# Altium PCB PCB1.PcbDoc (part 1 of 5)
Units mm, origin at the board's own origin, x right, y up, seen from the top; angles counter-clockwise.
Board outline 85 x 56 mm, 6 copper layers (Top Layer, GND, SIG_PWR, Layer 4, PWR, Bottom Layer), stack 1.549 mm thick; 170 components, 334 nets, 1426 pads, 803 vias.
Unrouted connection lines stored in the file: 7.
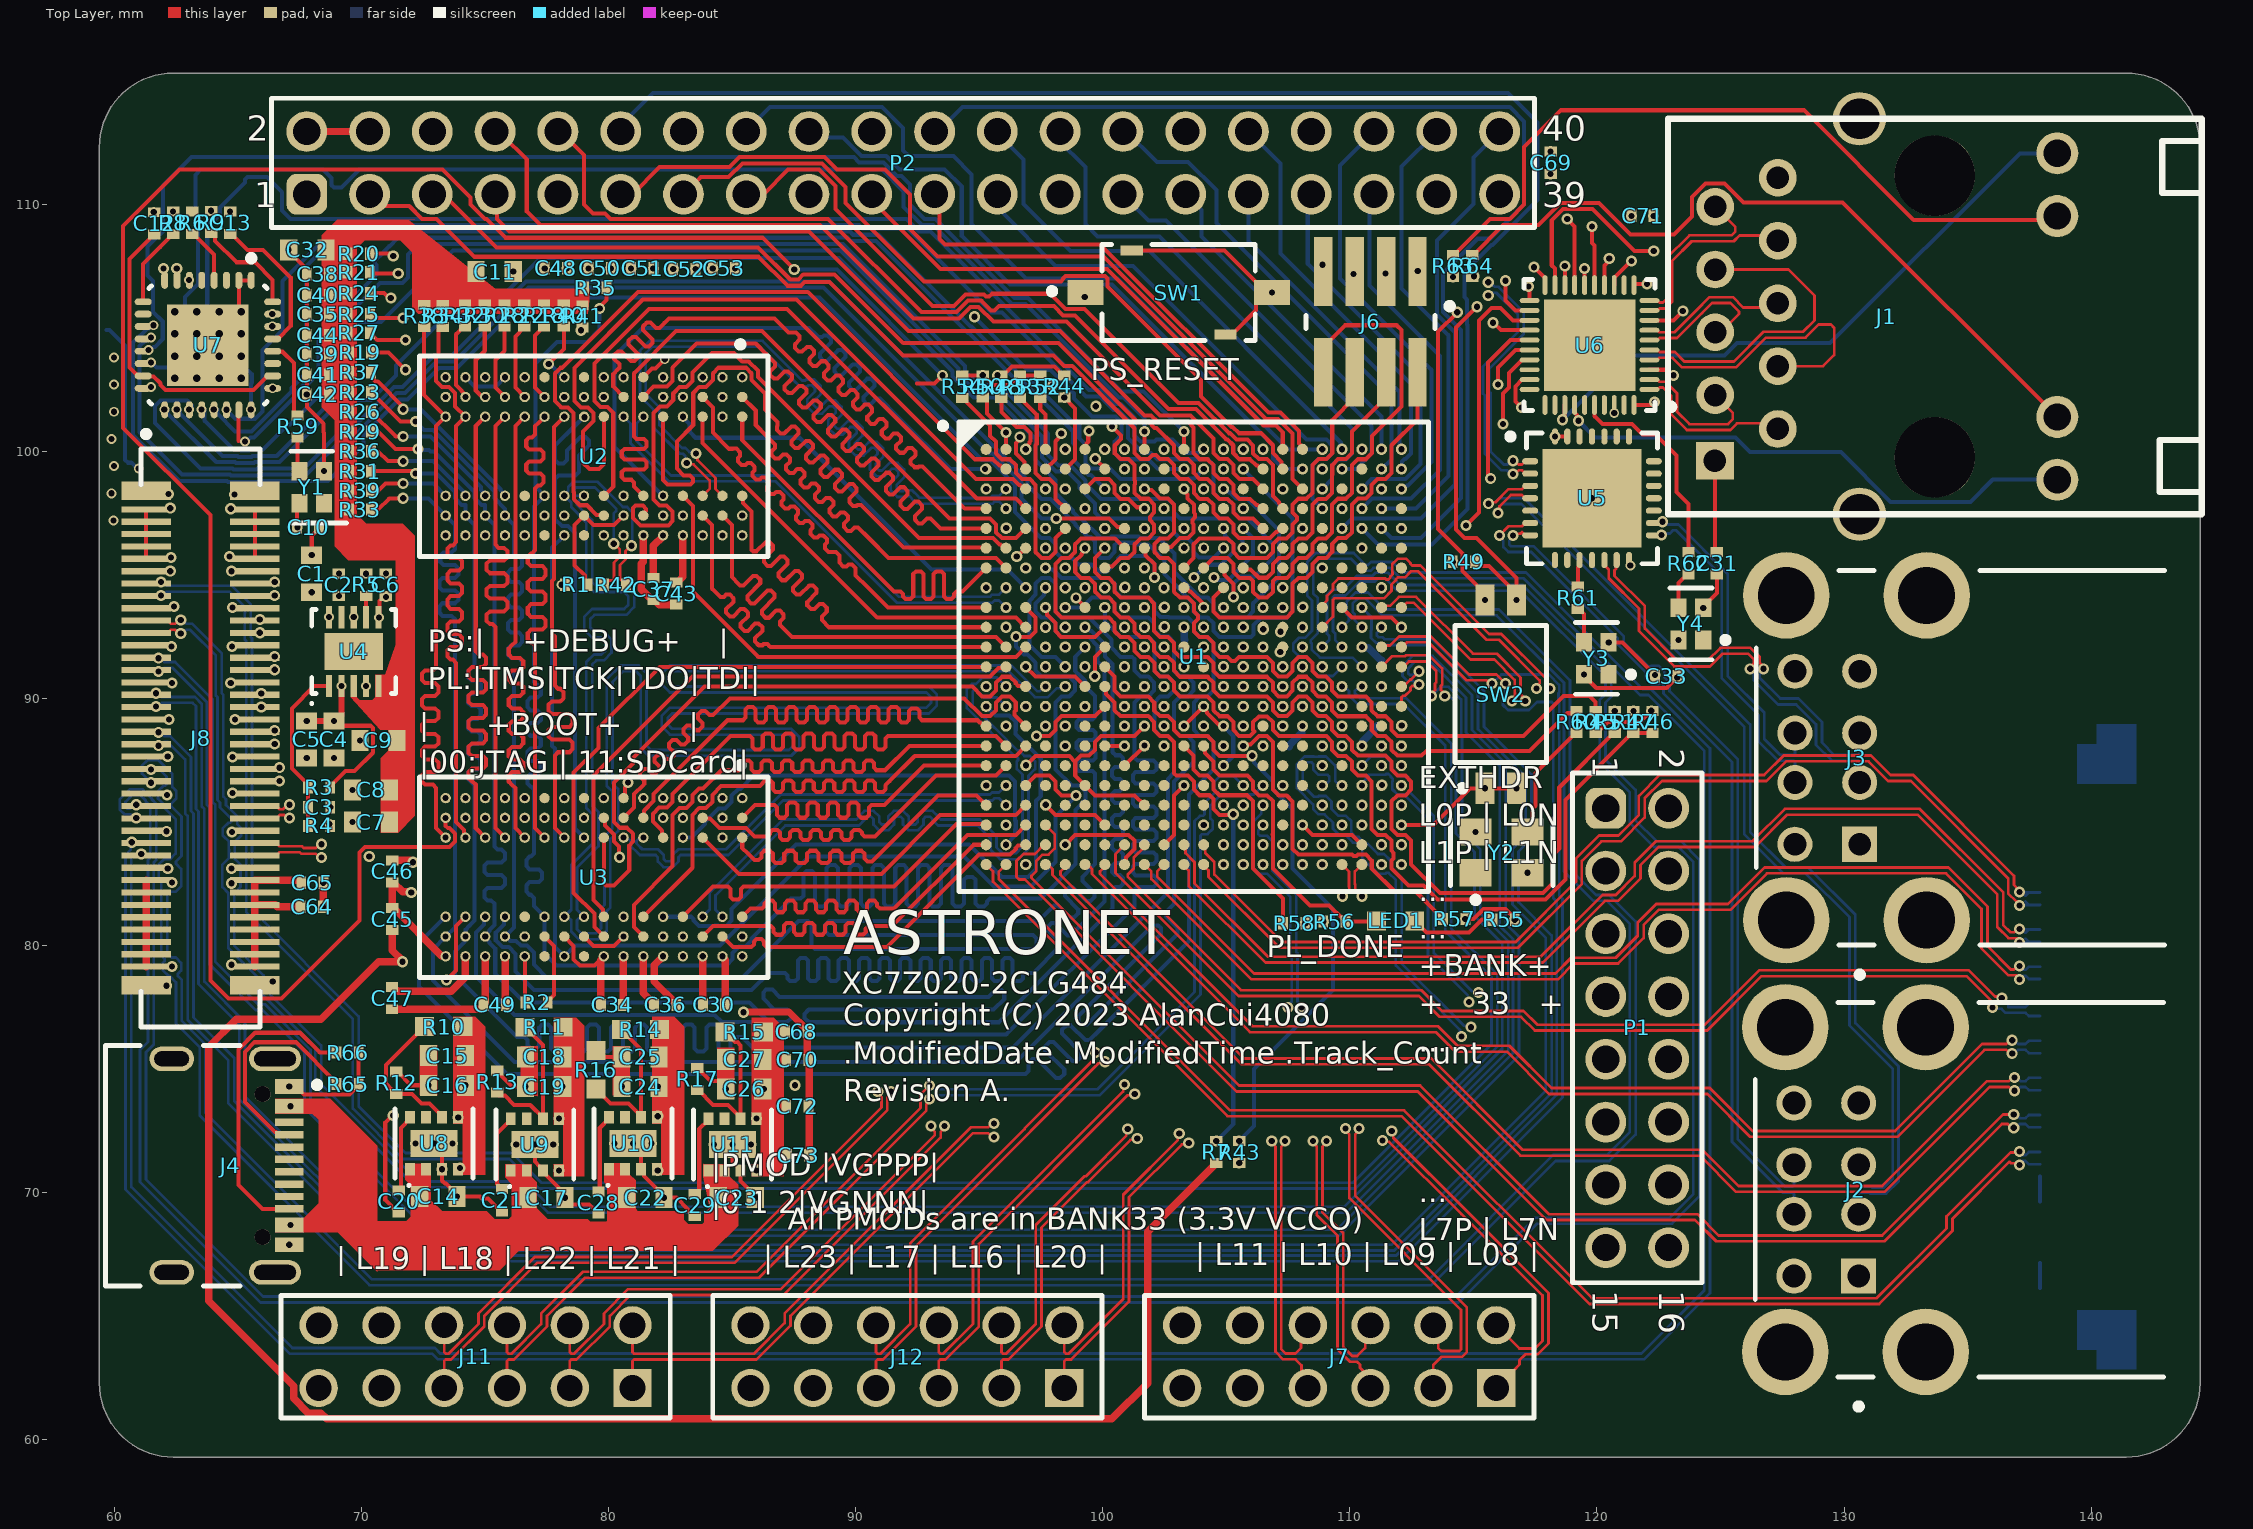
[diagram p0: Top Layer view]
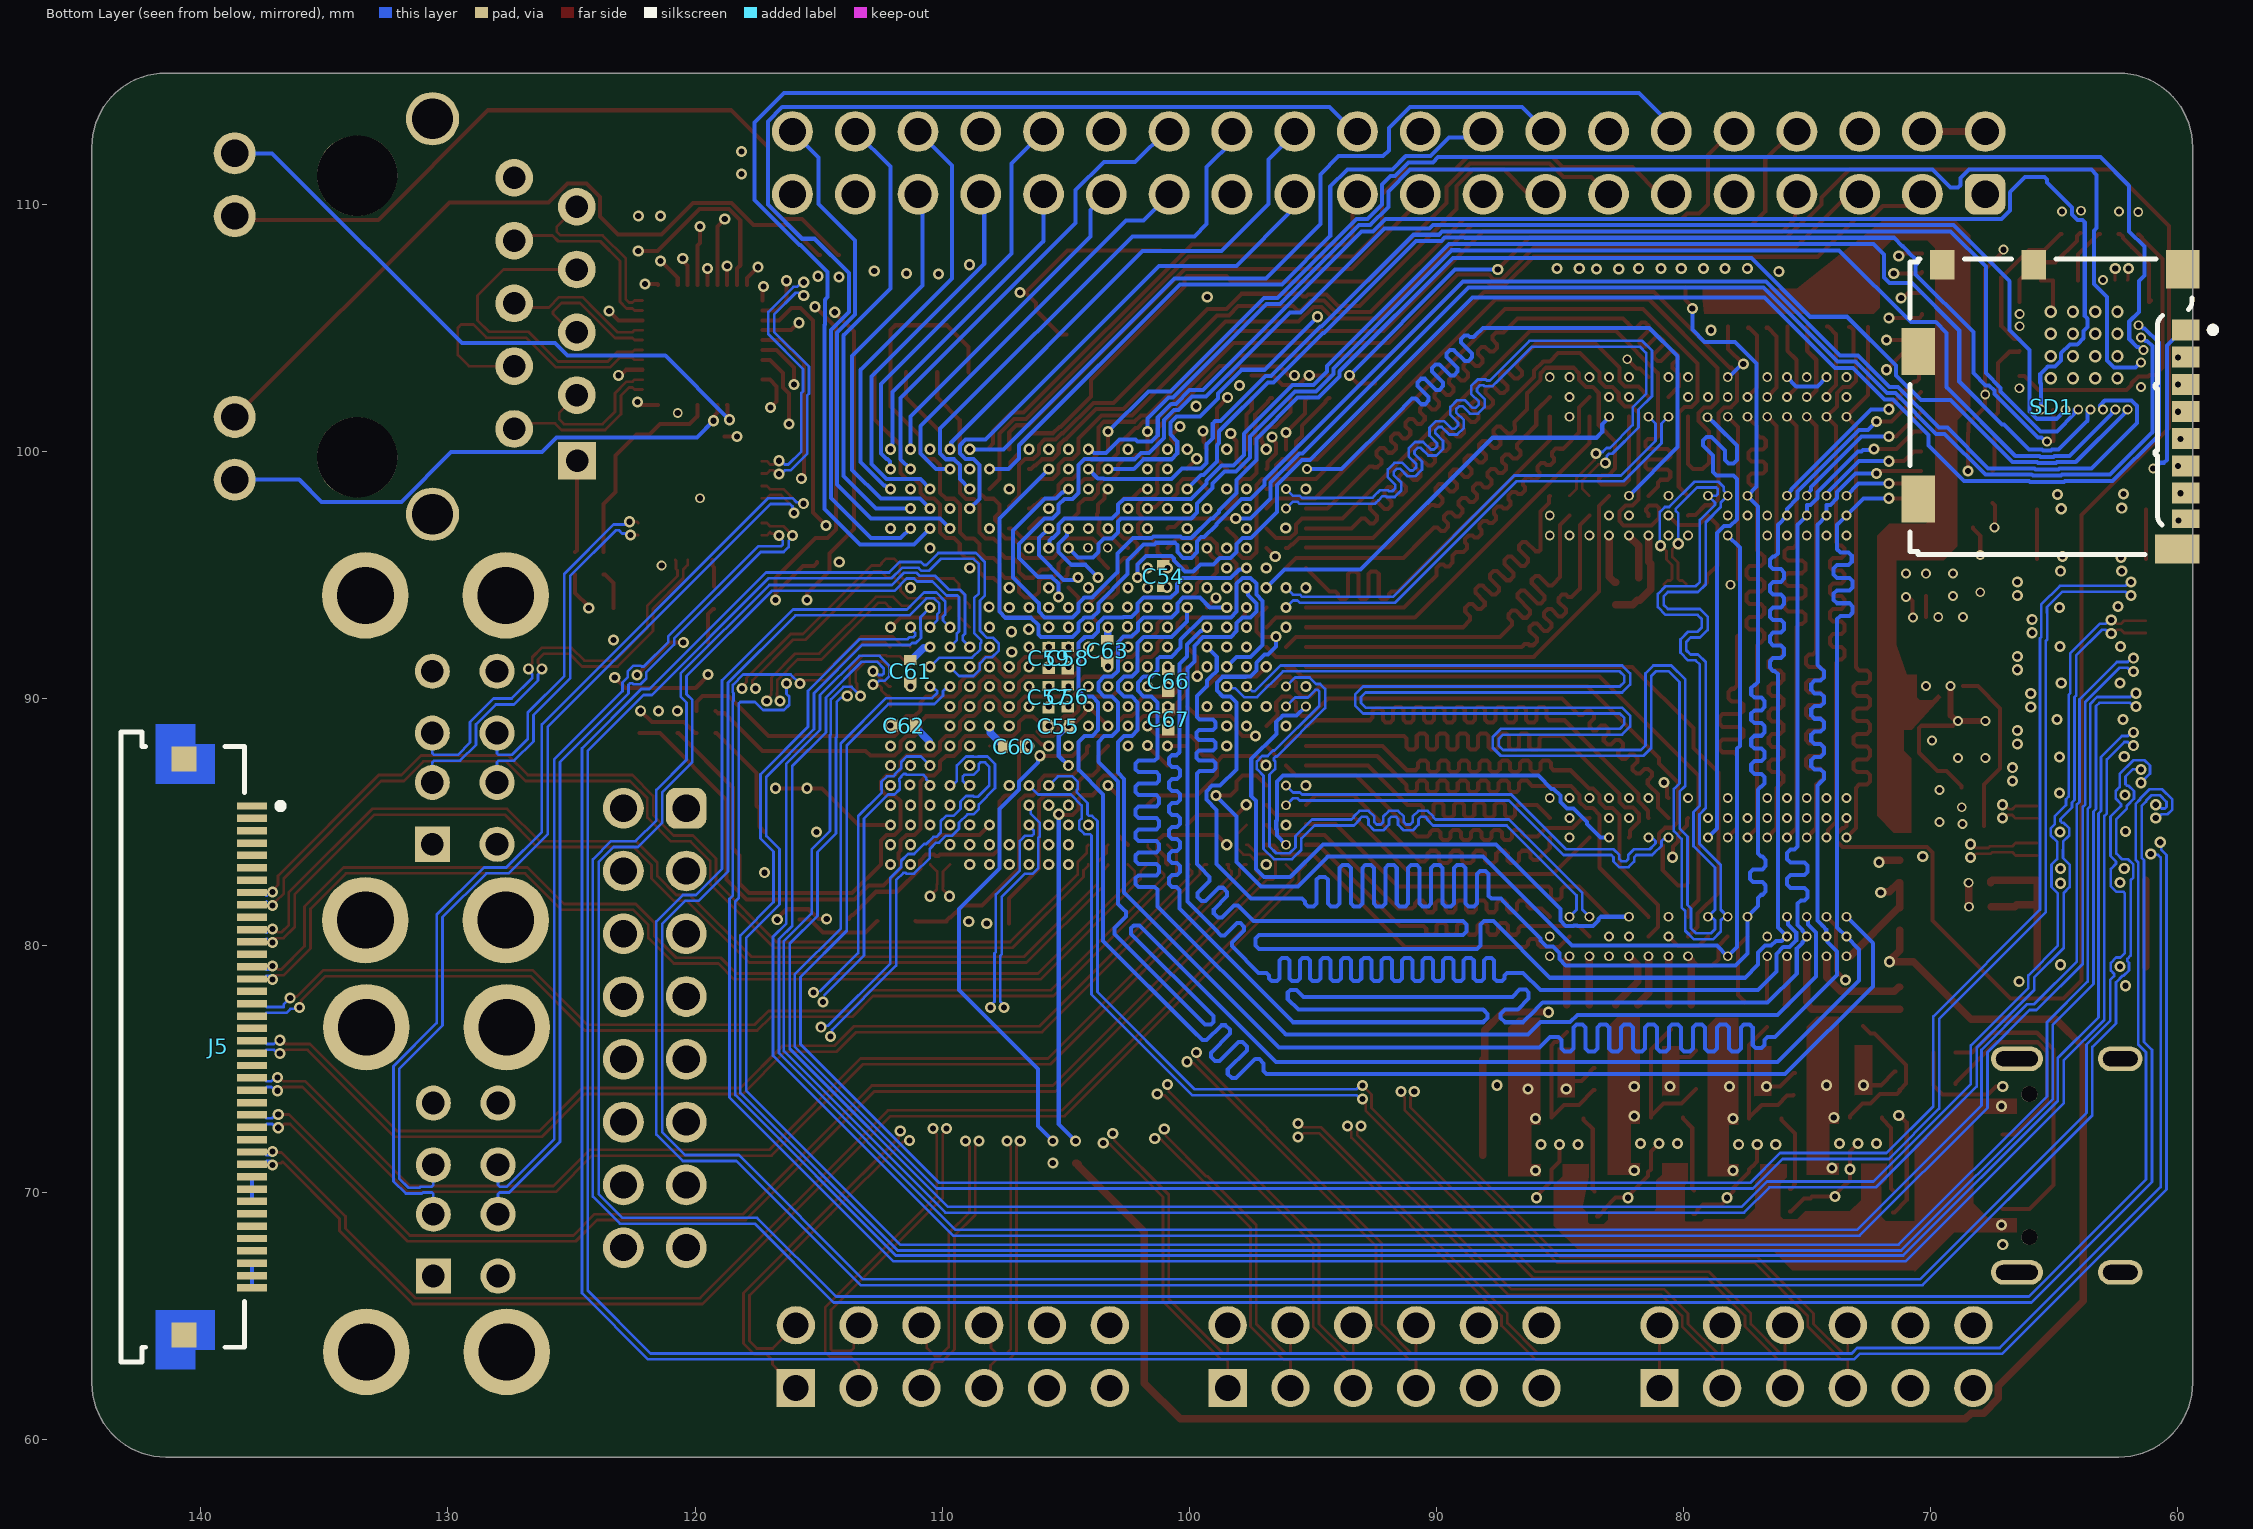
[diagram p1: Bottom Layer view, seen from below]
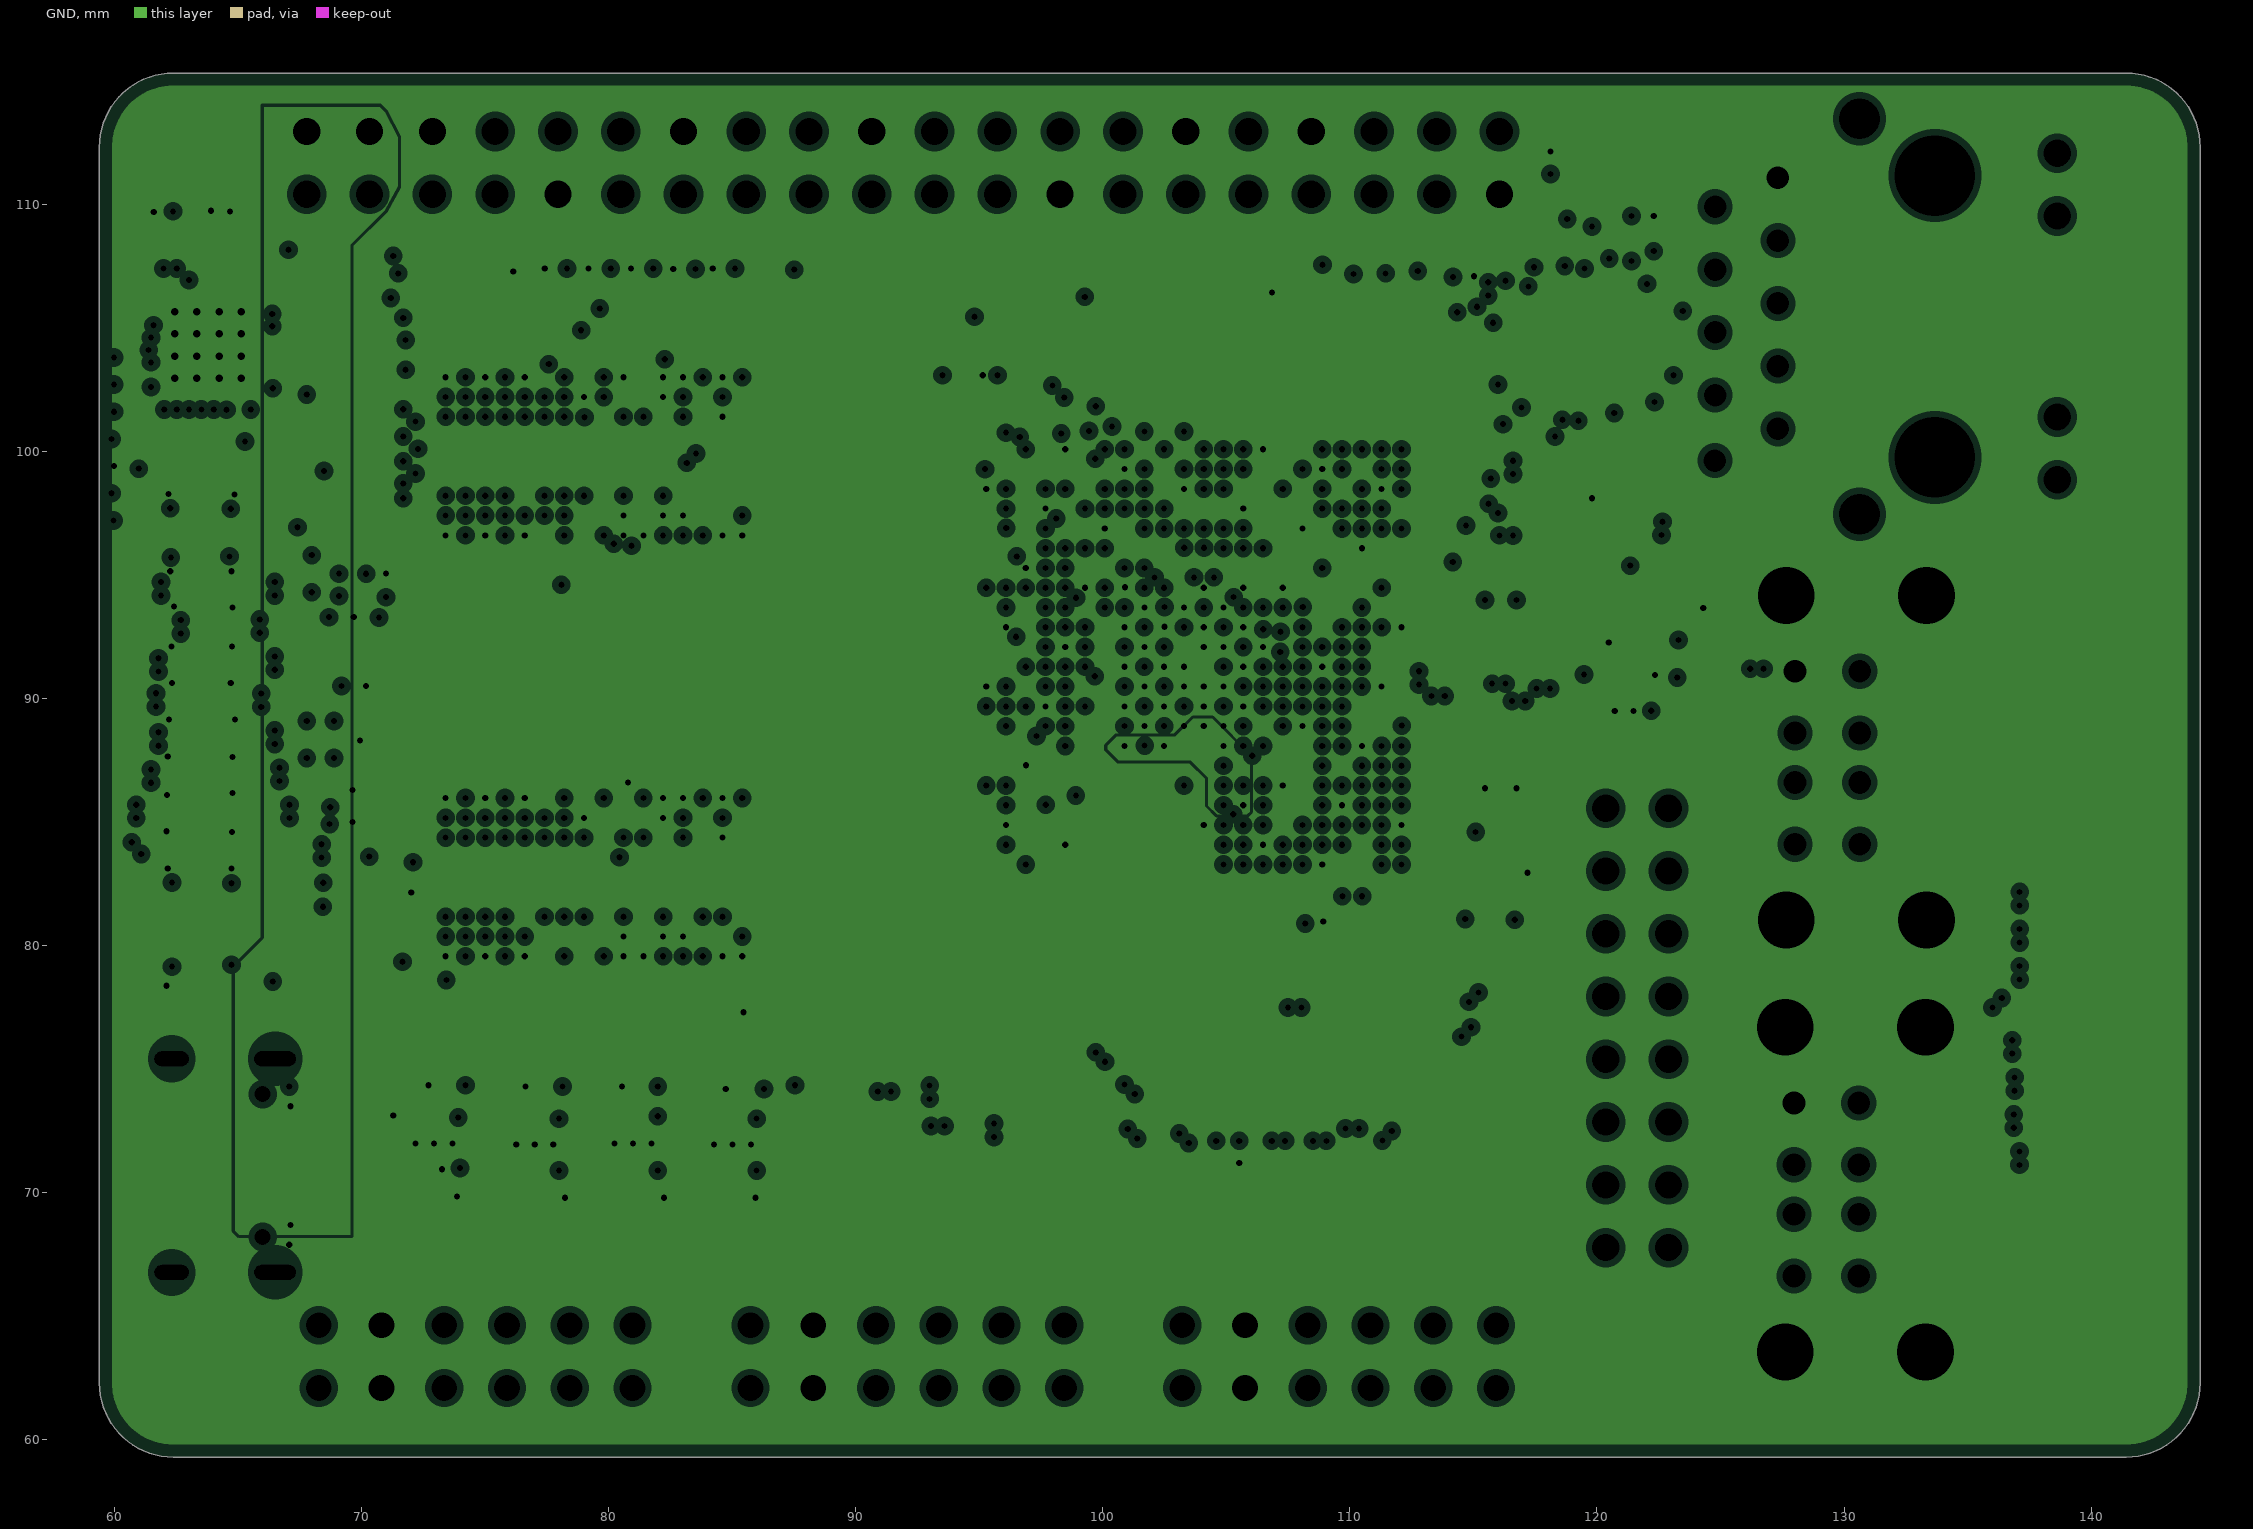
[diagram p2: GND, clearances drawn from the general rule]
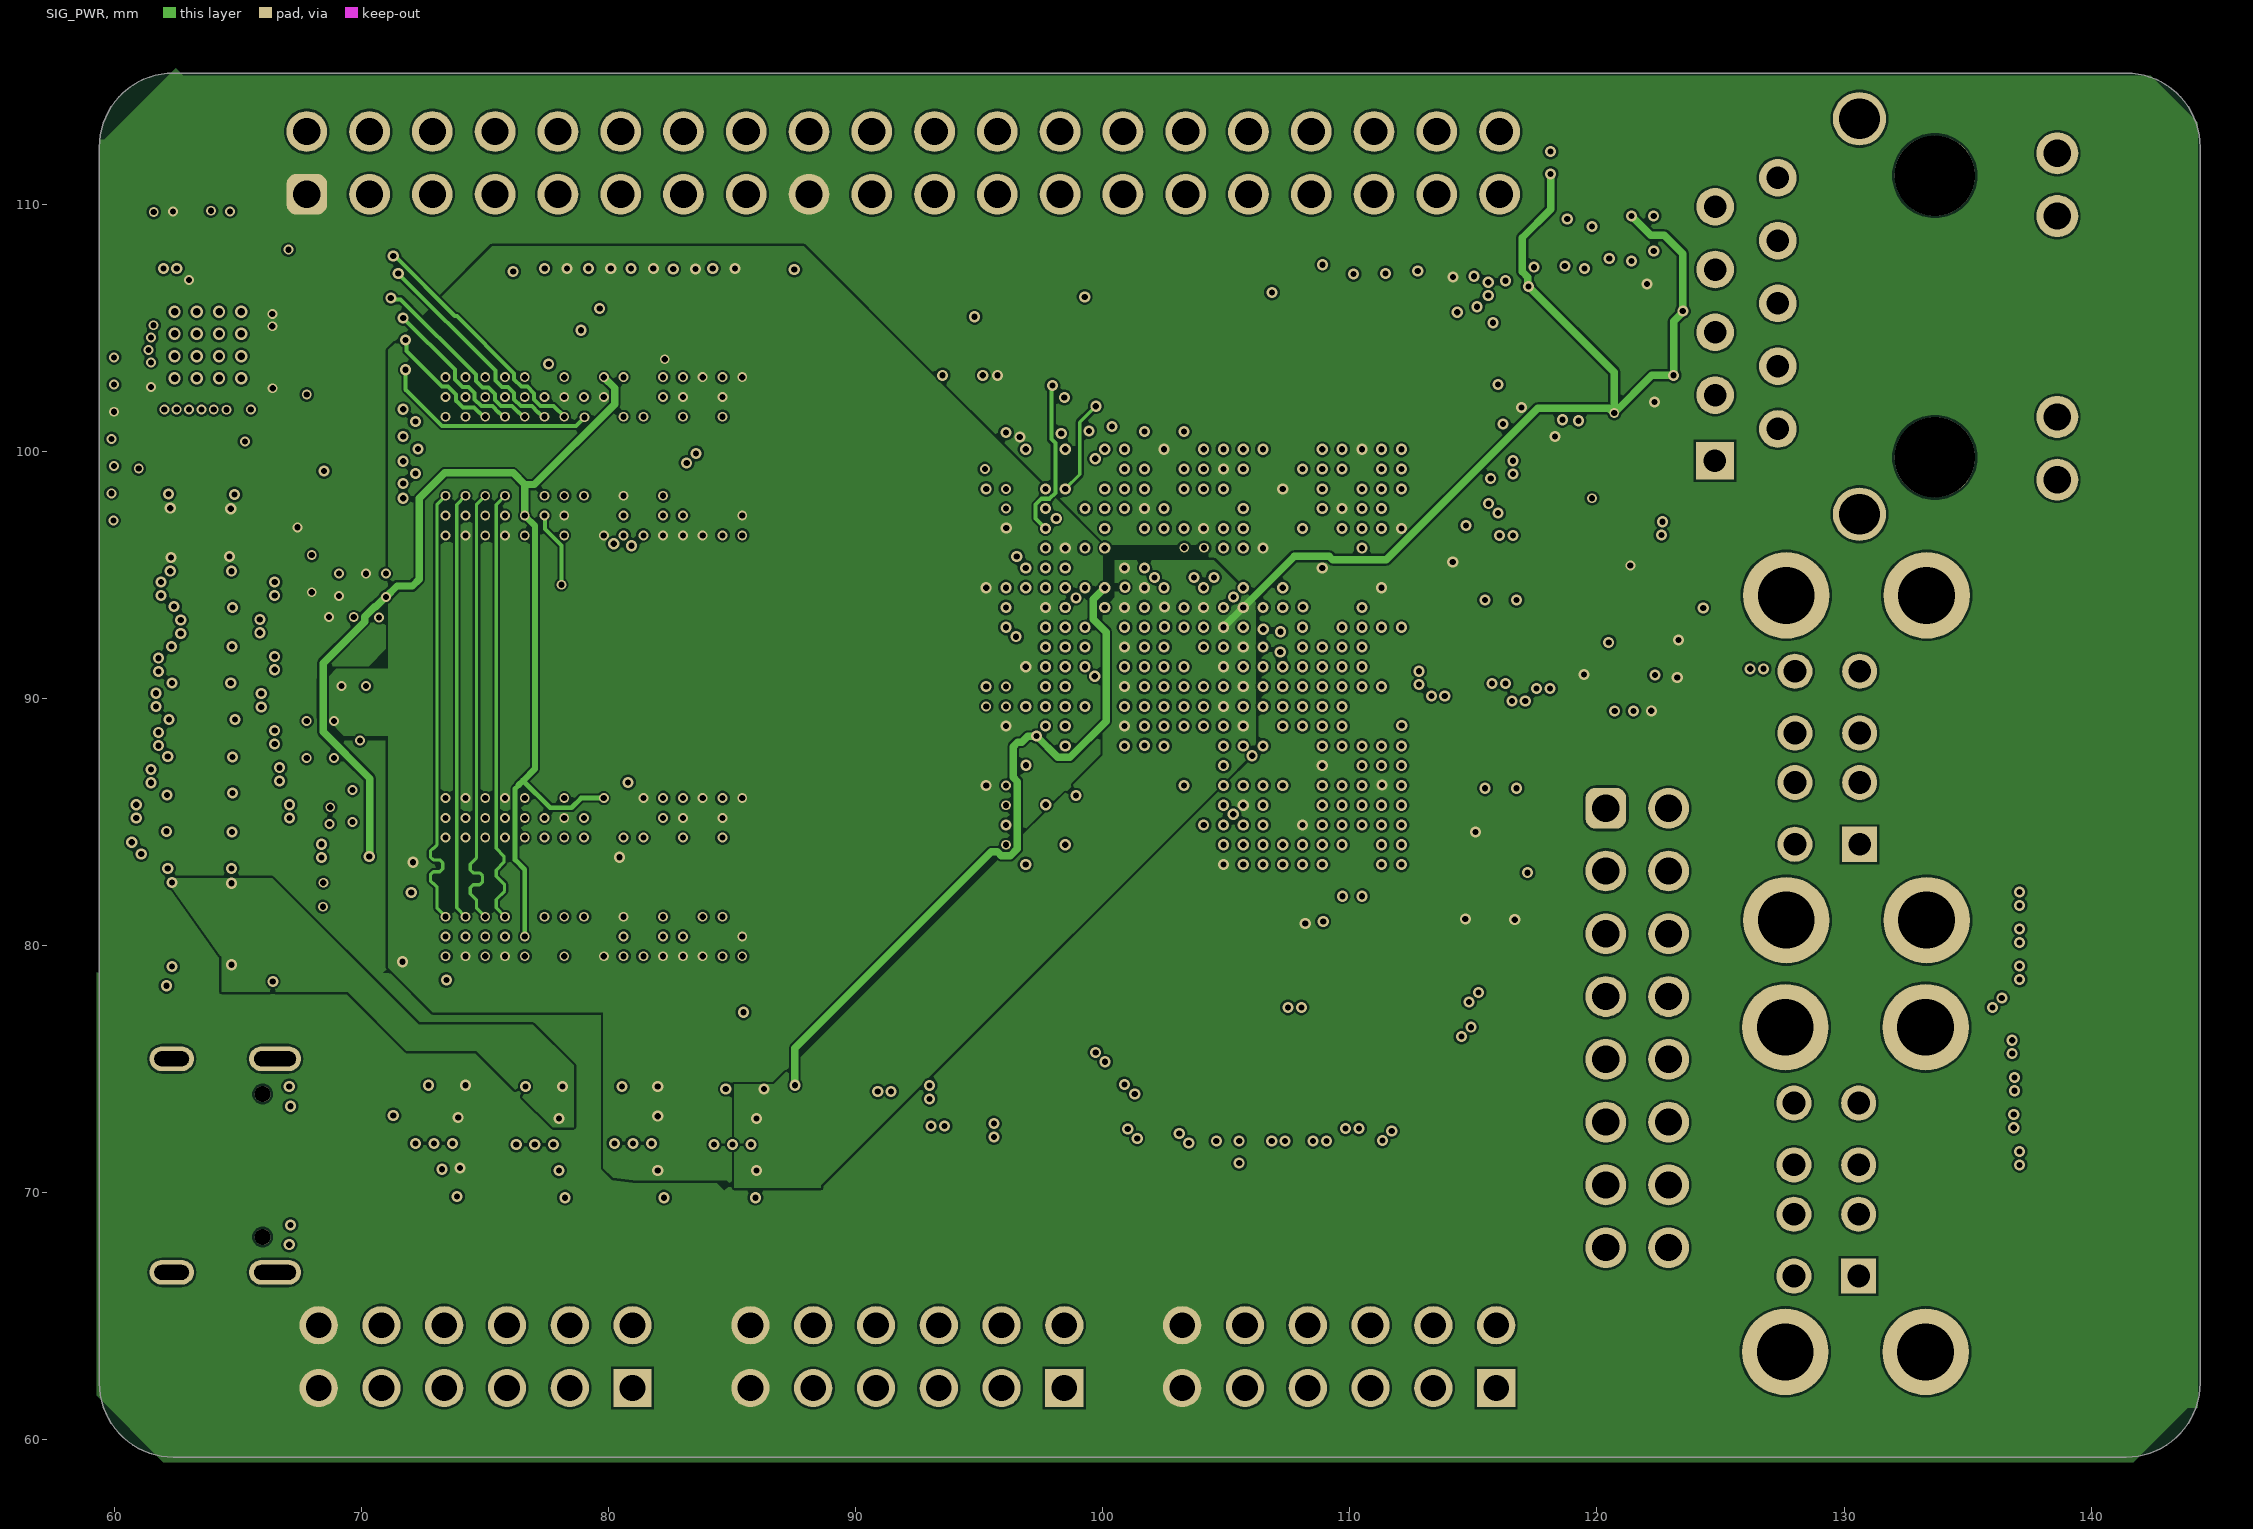
[diagram p3: SIG_PWR]